# Altium PCB STM8S+OLED+RTC.PcbDoc
Units mil, origin at the board's own origin, x right, y up, seen from the top; angles counter-clockwise.
Board outline 3904.03 x 2334.03 mil, 2 copper layers (Top Layer, Bottom Layer); 35 components, 31 nets, 143 pads, 8 vias.
Unrouted connection lines stored in the file: 1.
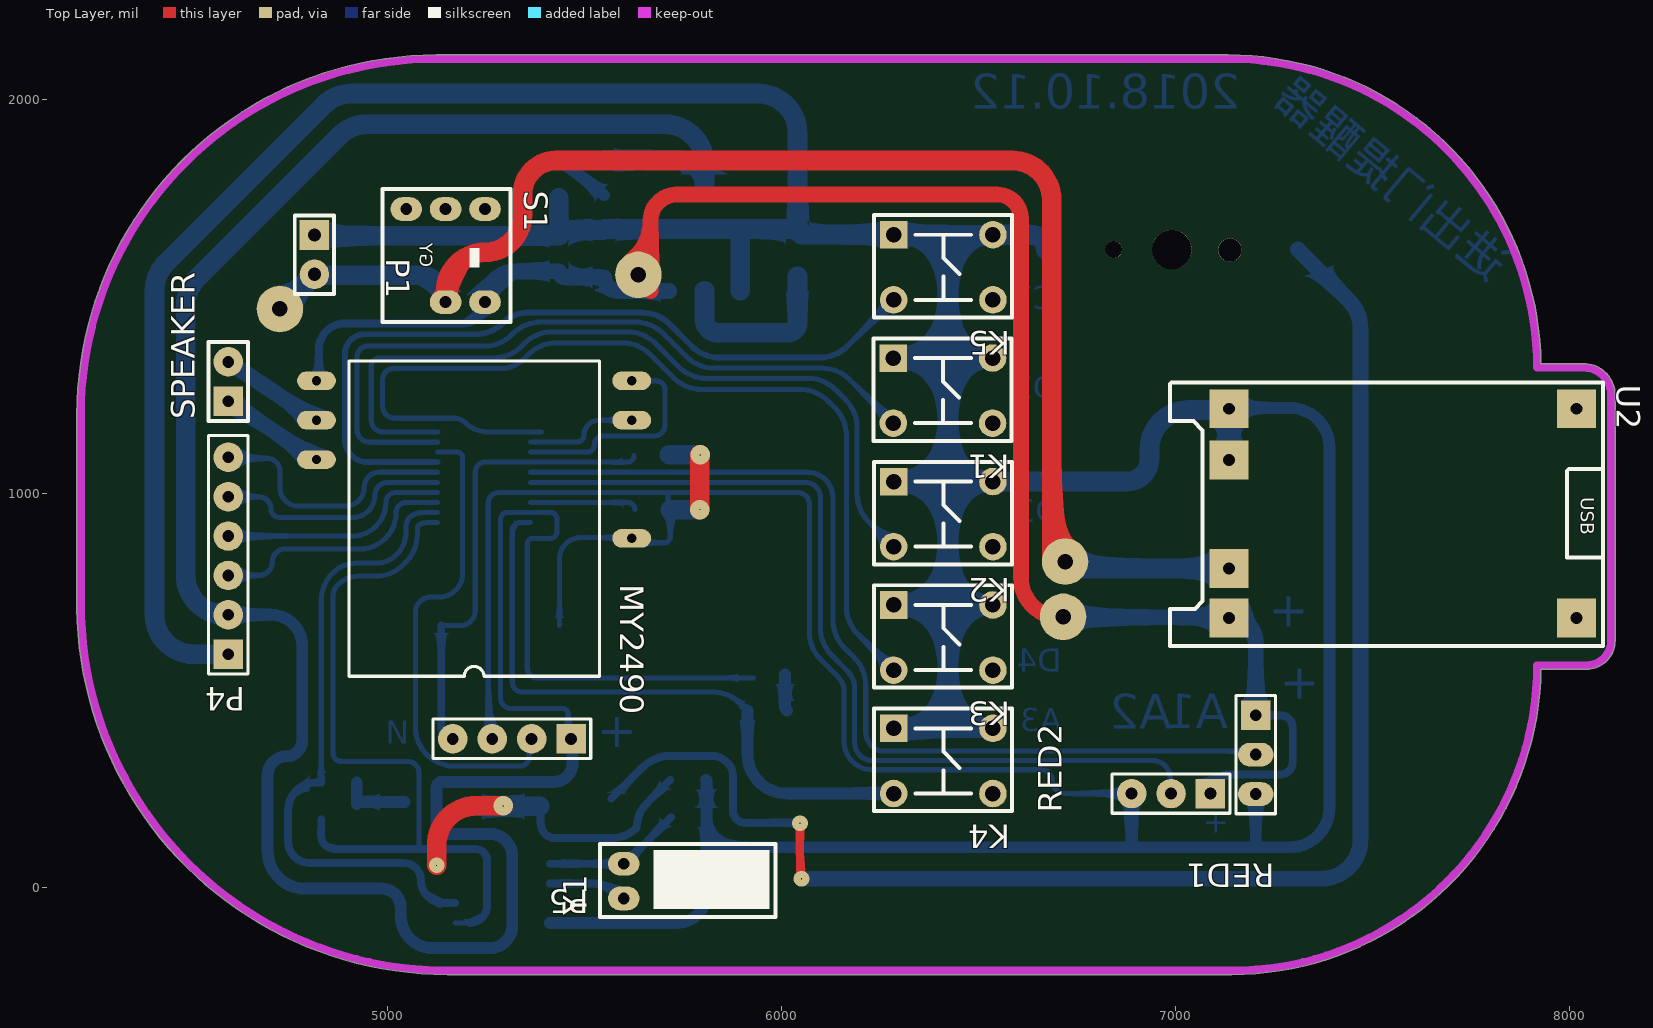
[diagram p0: Top Layer view]
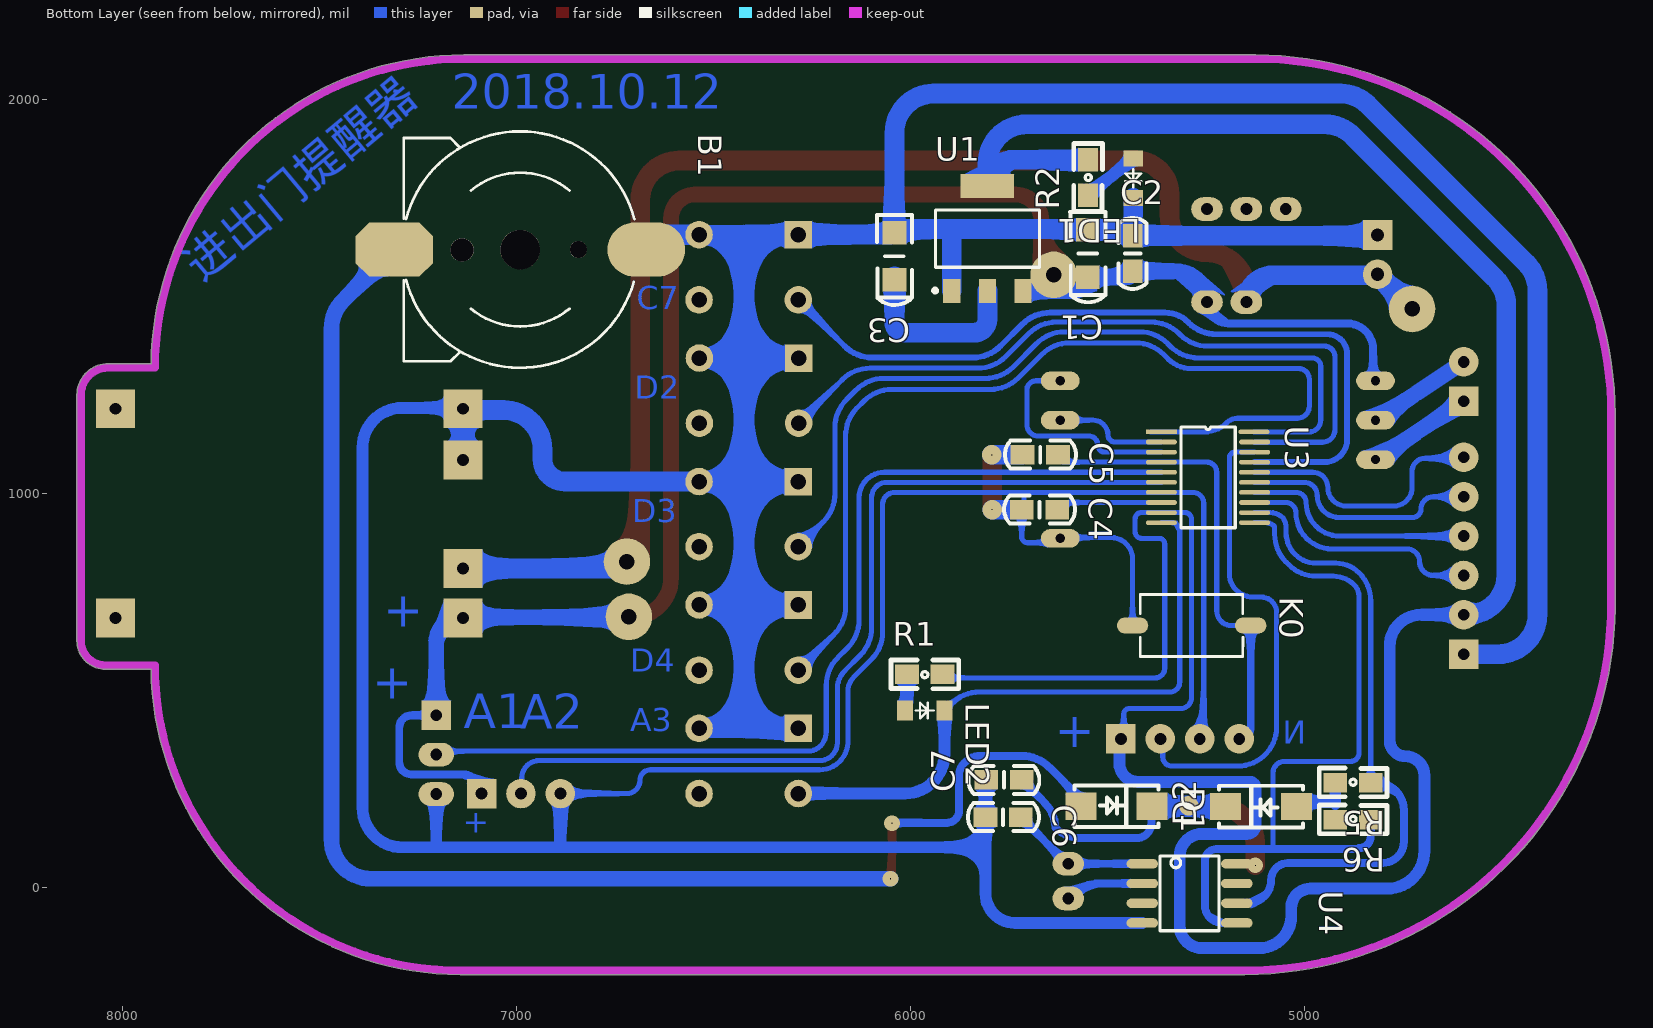
[diagram p1: Bottom Layer view, seen from below]
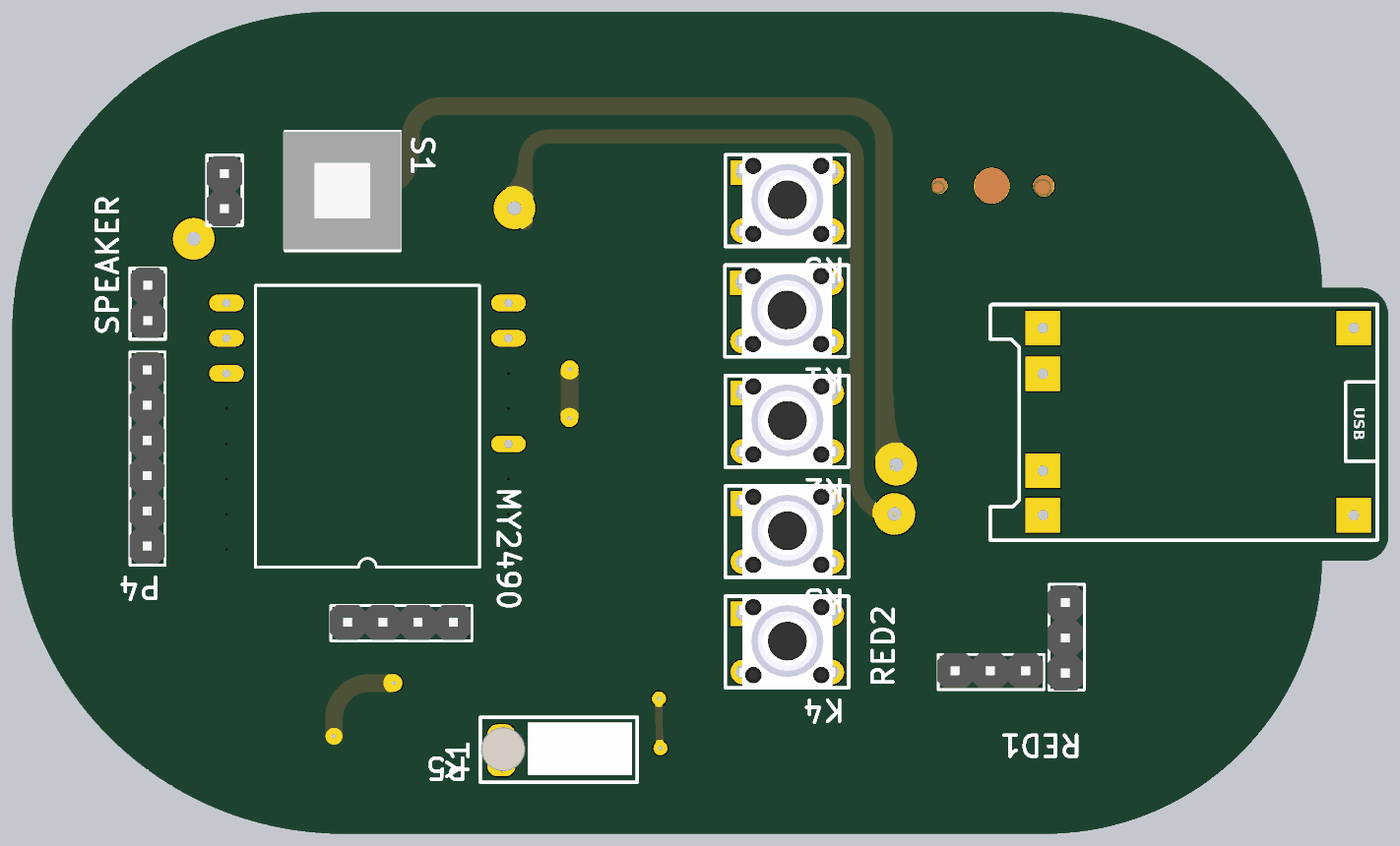
[diagram p2: 3D render of the assembled board from above, using the file's embedded part models]
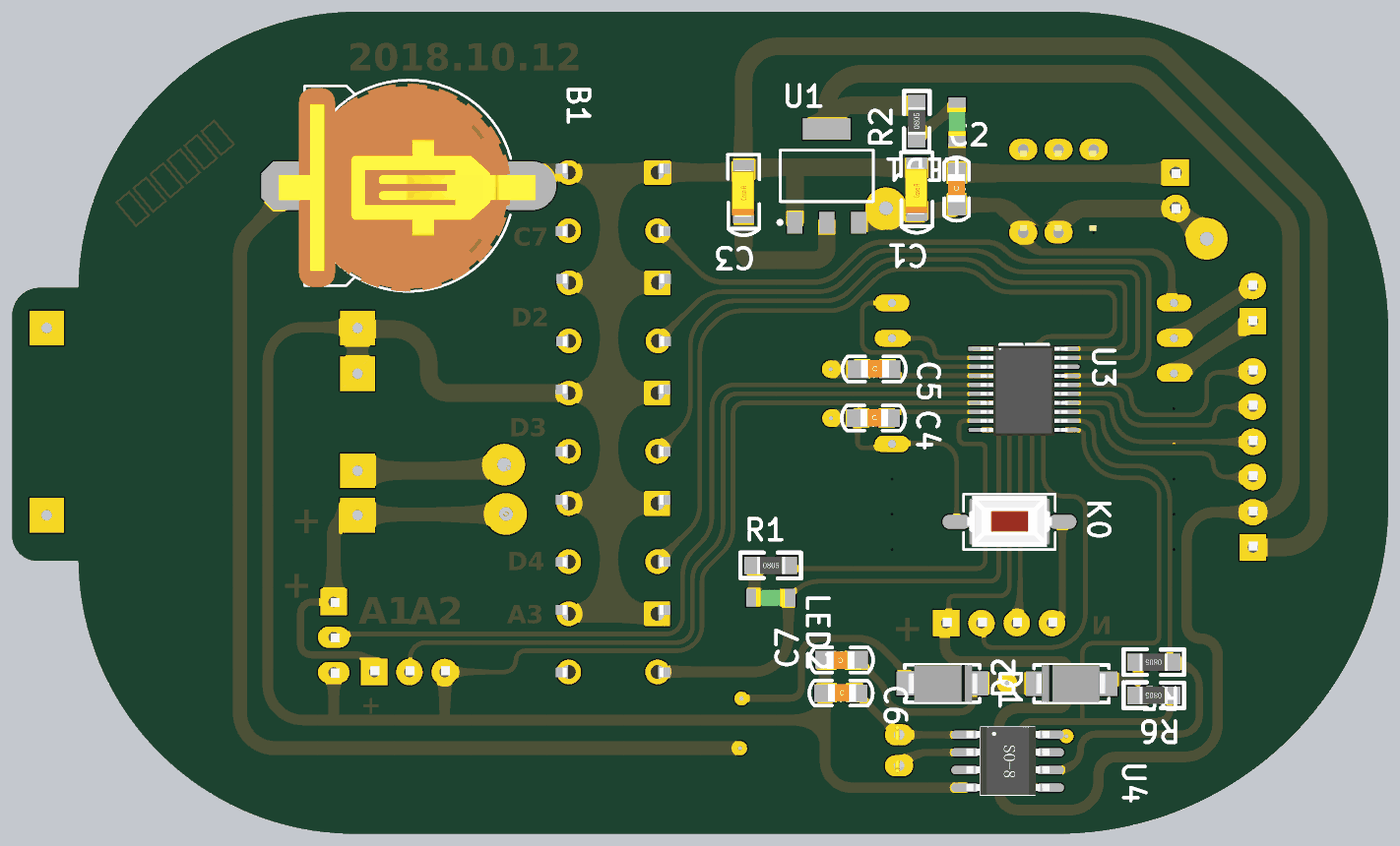
[diagram p3: 3D render of the assembled board from below, using the file's embedded part models]

## Layer stack, top to bottom
Top Solder: solder mask 0.4, Solder Resist, Dk 3.5
Top Layer: signal copper 1.4
Dielectric 1: dielectric 12.6, FR-4, Dk 4.8
Bottom Layer: signal copper 1.4
Bottom Solder: solder mask 0.4, Solder Resist, Dk 3.5

## Board outline
4212.04,708.45 cw(c4222,709.48) 4211.98,709.48 4211.98,1200.08 cw(c5123.92,1200.08) 5123.92,2112.01 7134.31,2112.01 cw(c7134.31,2102) 7134.44,2112.01 cw(c7134.31,1318.31) 7927.95,1328.32 8036.69,1328.32 cw(c8036.69,1249) 8116.02,1249 cw(c8106,1249) 8116.01,1248.96 8116.01,625 cw(c8044,625) 8044,552.98 7927.95,552.98 cw(c7143,563) 7143,-222.01 5152.42,-222.01 cw(c5152.42,718.42)

## Design rules (kind name [scope] priority, off if disabled: settings)
Clearance [All] p1: gap=10
PolygonConnect [All] p1: connectstyle=Relief reliefconductorwidth=10 reliefentries=4 polygonreliefangle="90 Angle" airgapwidth=10
RoutingVias [All] p1: holewidth=28 width=50 viastyle="Through Hole" minholewidth=28 minwidth=50 maxholewidth=28 maxwidth=50
SolderMaskExpansion [All] p1: expansion=4
Width [All] p1: maxlimit=50 minlimit=10 preferedwidth=13
30 further rules are at their usual default settings.

## Components (designator, comment, footprint, x,y, rotation, side; value= is the part's Value field where it differs from the comment)
B1 "纽扣电池（1220）" CR1220 6991,1608 r180 bottom locked
C1 "10uF" Cap(10uF) 5550,1548 r270 bottom
C2 "104" 0805C 5436,1568 r90 bottom
C3 "10uF" Cap(10uF) 6041,1541 r270 bottom
C4 "105" 0805C 5713,958 r180 bottom
C5 "104" 0805C 5711,1097 r180 bottom
C6 "22pF/16V" 0805C 5805,177 r180 bottom
C7 "0.1uF/16V" 0805C 5723,272 r0 bottom
D1 "SS14" SS14 5561,204 r180 bottom
D2 "SS14" SS14 5027,205 r0 bottom
K0 "两脚贴片" 贴片按键 5431,661 r180 bottom
K1 "四脚按键" SW_PB4_DIP 6536,1344 r180 top
K2 "四脚按键" SW_PB4_DIP 6537,1030.5 r180 top
K3 "四脚按键" SW_PB4_DIP 6537,717.25 r180 top
K4 "四脚按键" SW_PB4_DIP 6537,404 r180 top
K5 "四脚按键" SW_PB4_DIP 6537,1657 r180 top
LED1 "RED-POWER" 0805LED 5433,1847 r270 bottom
LED2 "BLUE-SIGNAL" 0805LED 6012,450 r180 bottom
MY2490 "" MY2490 5620,585 r180 top locked
P1 "POWER_IN" "Header 2"#1 4814,1553 r0 top
P4 "OLED" "Header 6" 4597,590 r180 top
P5 "下载口" "Header 4" 5467,377 r270 top
R1 "560R" 0805R 5964,540 r180 bottom
R2 "560R" 0805R 5550,1801 r90 bottom
R5 "4.7K" 0805R 4877,265 r0 bottom
R6 "4.7K" 0805R 4877,171 r0 bottom
RED1 "红外传感器1" "Header 3"#1 7209,342 r270 top
RED2 "红外传感器2" "Header 3"#2 6995,232 r180 top
S1 "六角开关" 六角开关 5247,1484 r270 top
SPEAKER "Header 2" "Header 2"#2 4597,1335 r180 top
U1 "AMS1117_3.3V" SOT-223 5892,1512 r180 bottom
U2 "锂电池充电板" 锂电池充电板 8026,1218 r270 top
U3 "STM8" STM8_SOP20 5363,1155 r180 bottom
U4 "PCF8563" PCF8563 5412,58 r180 bottom
Y1 "32.768K" XTAL 5596,32 r90 top

## Footprints (in the part's own frame and the unit in brackets; to place one, negate y for a bottom-side part, rotate by r counter-clockwise, add the part's x,y. Pads: shape width x height; smd on the part's side, far side on the other; paste and mask are expansions set on the pad)
0805C [mil]
  rect 60x50 smd: 1(-5,0) 2(85,0)
  silkscreen extent -50,-35 131,36, body extent -16,-26 102,29, height 37
0805LED [mil]
  rect 40x50 smd: 1(-2,-2) 2(98,-2)
  silkscreen extent 25,-22 71,18, body extent 7,-27 87,23, height 43
0805R [mil]
  rect 60x50 smd: 1(-45,0) 2(45,0)
  silkscreen extent -86,-37 86,36, body extent -38,-25 40,25, height 22
Cap(10uF) [mil]
  rect 60x60 smd: 1(0,0) 2(-120,0)
  silkscreen extent -165,-45 64,45, body extent -122,-33 12,30, height 65
CR1220 [mm]
  round 1.5 hole 1.5: 0(-3.75,0.229)
  round 2.54 hole 2.54: 0(0,0.254)
  round 1.1 hole 1.1: 0(3.75,0.254)
  oct 5x3.5 smd: 1(-8.128,0.254)
  oval 5x3.5 smd: 2(8.128,0.254)
  silkscreen extent -7.5,-7.37 7.36,7.87, body extent -9.38,-7.38 9.12,7.62, height 4.19
"Header 2"#1 [mil]
  rect 75x75 hole 34: 1(0.81,102.01)
  round 75 hole 34: 2(0.81,2.01)
  silkscreen extent -49,-48 51,152, body extent -50,-50 50,150, height 336
"Header 2"#2 [mil]
  rect 75x75 hole 30: 1(0.81,102.01)
  round 75 hole 30: 2(0.81,2.01)
  silkscreen extent -49,-48 51,152, body extent -50,-50 50,150, height 336
"Header 3"#1 [mil]
  rect 75x75 hole 30: 1(-94.03,-5.18)
  oval 60x90 hole 30: 2(5.97,-5.18) 3(105.97,-5.18)
  silkscreen extent -144,-55 156,45, body extent -142,-59 158,41, height 336
"Header 3"#2 [mil]
  rect 75x75 hole 30: 1(-94.03,-5.18)
  round 75 hole 30: 2(5.97,-5.18) 3(105.97,-5.18)
  silkscreen extent -144,-55 156,45, body extent -142,-59 158,41, height 336
"Header 4" [mil]
  rect 75x75 hole 30: 1(0.95,-0.93)
  round 75 hole 30: 2(0.95,-100.93) 3(0.95,-200.93) 4(0.95,-300.93)
  silkscreen extent -49,-351 51,49, body extent -51,-354 49,46, height 336
"Header 6" [mil]
  rect 75x75 hole 30: 1(0.95,-0.93)
  round 75 hole 30: 2(0.95,-100.93) 3(0.95,-200.93) 4(0.95,-300.93) 5(0.95,-400.73) 6(0.95,-500.73)
  silkscreen extent -49,-556 51,49, body extent -48,-555 52,45, height 336
MY2490 [mm]
  rect 0x0 all layers, no hole: 1(0,0)
  round 0 all layers, no hole: 2(0,-2.54) 3(0,-5.08) 5(0,-10.16) 6(0,-12.7) 12(20.32,-10.16) 13(20.32,-7.62) 14(20.32,-5.08) 15(20.32,-2.54) 16(20.32,0)
  oval 2.5x1.2 hole 0.6: 4(0,-7.62) 7(0,-15.24) 8(0,-17.78) 9(20.32,-17.78) 10(20.32,-15.24) 11(20.32,-12.7)
  silkscreen extent 2.08,-19.05 18.24,1.27
PCF8563 [mil]
  oval 80x24 smd: 1(0,1) 2(0,-49) 3(0,-99) 4(0,-149) 5(240,-149) 6(240,-99) 7(240,-49) 8(240,1)
  silkscreen extent 45,-169 195,21, body extent 3,-169 239,23, height 67
SOT-223 [mm]
  rect 1.1x1.55 smd: 1(-0.09,0.029) 2(2.21,0.029) 3(4.51,0.029)
  rect 3.45x1.55 smd: 4(2.21,6.779)
  silkscreen extent -1.29,-0.07 5.56,5.25, body extent -1.09,-0.53 5.51,6.83, height 0.8
SS14 [mm]
  rect 2x1.75 smd: 1(-0.178,0.025) 2(4.422,0.025)
  silkscreen extent -0.58,-1.32 4.82,1.38, body extent -0.38,-1.32 4.73,1.35, height 2.12
STM8_SOP20 [mm]
  rect 2x0.3 smd: 1(-0.014,0.005)
  oval 2x0.3 smd: 2(-0.014,-0.645) 3(-0.014,-1.295) 4(-0.014,-1.945) 5(-0.014,-2.595) 6(-0.014,-3.245) 7(-0.014,-3.895) 8(-0.014,-4.545) 9(-0.014,-5.195) 10(-0.014,-5.845) 11(5.994,-5.845) 12(5.994,-5.195) 13(5.994,-4.545) 14(5.994,-3.895) 15(5.994,-3.245) 16(5.994,-2.595) 17(5.994,-1.945) 18(5.994,-1.295) 19(5.994,-0.645) 20(5.955,0.005)
  silkscreen extent 1.24,-6.17 4.75,0.33, body extent -0.16,-6.27 6.12,0.23, height 1.1
SW_PB4_DIP [mil]
  rect 70x70 hole 39.37: 1(251.98,1.32)
  round 70 hole 39.37: 2(251.98,166.68) 3(0.02,166.68) 4(0.02,1.32)
  silkscreen extent -48,-49 302,211, body extent -37,-49 288,207, height 315
XTAL [mil]
  oval 60x80 hole 30: 1(-61,-4) 2(27,-4)
  silkscreen extent -108,-389 77,56, body extent -82,-72 54,54, height 365
六角开关 [mil]
  oval 60x80 hole 30: 1(-0.63,0.71) 2(-0.63,-99.29) 4(-236.85,-199.29) 5(-236.85,-99.29) 6(-236.85,0.71)
  round 0 all layers, no hole: 3(-0.63,-199.29)
  silkscreen extent -288,-260 50,65, body extent -287,-266 47,69, height 551
贴片按键 [mil]
  oval 80x40 smd: 1(-5.71,2.8) 2(294.29,2.8)
  silkscreen extent 14,-76 274,82, body extent 24,-69 264,77, height 98
锂电池充电板 [mm]
  rect 2.5x2.5 hole 0.762: 1(0.1,-0.2) 2(3.4,-22.6) 3(0.1,-22.6) 4(13.6,-22.6) 5(10.4,-22.6) 6(13.6,-0.2)
  silkscreen extent -1.6,-26.4 15.4,1.5

## Part data
C1 C3: library part Cap1
C2 C6 C7: library part CAP, "Capacitor"
C4 C5: library part C1
K0: library part Key(两脚贴片)
K1 K2 K3 K4 K5: library part Key(四脚)
LED1 LED2: library part LED
MY2490: library part Component_2
P1: library part "Header 2"
P4: library part "Header 6"
P5: library part "Header 4"
R1 R2 R5 R6: library part R1
RED1 RED2: library part "Header 3"
U1: library part AMS1117-3.3V/5.0V
Y1: library part XTAL

## Free pads (board coordinates)
  round 118.11 hole 39.37: 0(4727,1467.2) 1(6720,826) 2(6715,686) 3(5637,1554)

## Via types
v1: diameter 40, hole 0, Top Layer to Bottom Layer, 5 vias
v2: diameter 50, hole 0, Top Layer to Bottom Layer, 3 vias

## Nets (pads, with @x,y where several pads share a name; then routed paths per layer and width w, separated by ;. In a path a pad name is that pad's centre, name@x,y a point inside that pad or via, vN(x,y) a via of type N, cw(c..) or ccw(c..) an arc to the next point about the centre after c; other vN are vias at no path point)
3.3V: C3.1 P4.2 P5.1 R1.2 R2.2 U1.2 U1.4 U3.9 | length 7708.3
  Bottom Layer w13: P5.1 cw(c5466.07,383.12) 5459,383.12 5459,439 ccw(c5445,439) 5445,453 5315,453 cw(c5315,481) 5287,481 5287,934 cw(c5303.46,934) 5300.13,950.12 cw(c5303.46,934) 5303.46,950.46 U3.9 5414.54,950.46 cw(c5414.54,935) 5430,935 5430,901 cw(c5414,901) 5414,885 5369,885 ccw(c5369,871) 5355,871 5355,555 ccw(c5379,555) 5379,531 R1.2@5929,531
  Bottom Layer w30: P4.2 4705.07,690.93 cw(c4705.07,612) 4784,612 4784,372 cw(c4744,372) 4744,332 ccw(c4744,284) 4696,284 4696,91 ccw(c4791,91) 4791,-4 4985,-4 cw(c4985,-53) 5034,-53 5034,-74 ccw(c5115,-74) 5115,-155 5260,-155 ccw(c5260,-98) 5317,-98 5317,78 ccw(c5260,78) 5260,135 5146,135 cw(c5146,156) 5125,156 5125,253 cw(c5139,253) 5139,267 5423,267 ccw(c5423,314) 5470,314 5470,372.12 ccw(c5466.07,372.12) P5.1
  Bottom Layer w50: P4.2 4588,690.93 cw(c4588,790.93) 4488,790.93 4488,1475.58 cw(c4588,1475.58) 4517.29,1546.29 4877.71,1906.71 cw(c4948.42,1836) 4948.42,1936 5705,1936 cw(c5705,1836) 5805,1836 U1.4 ccw(c5737.87,1778.87) 5737.87,1846 R2.2 ; U1.2 5805,1441 ccw(c5839,1441) 5839,1407 6016,1407 ccw(c6016,1432) 6041,1432 C3.1@6041,1550
+3.3V: D2.1 R5.2 R6.2 | length 177.3
  Bottom Layer w30: R5.2 4922,211 cw(c4934.07,198.93) 4934.07,216 D2.1@5044,216
A1: RED1.2 U3.5 | length 2441.7
  Bottom Layer w13: U3.5 6066.18,1052.82 cw(c6066.18,988) 6131,988 6131,677.42 ccw(c6231,677.42) 6160.29,606.71 6184.71,582.29 cw(c6114,511.58) 6214,511.58 6214,394.42 ccw(c6265.75,394.42) 6229.16,357.83 ccw(c6260.12,388.78) 6260.12,345 RED1.2@7203,345
A2: RED2.2 U3.6 | length 2261.4
  Bottom Layer w13: U3.6 6060.77,1027.23 cw(c6060.77,989) 6099,989 6099,658.42 ccw(c6199,658.42) 6128.29,587.71 6167,549 cw(c6121.13,503.13) 6186,503.13 6186,365.86 ccw(c6230.86,365.86) 6230.86,321 6942.57,321 cw(c6942.57,276.54) 6987.03,276.54
A3: K4.2 LED2.2 U3.10 | length 1607.7
  Bottom Layer w13: U3.10 5337.87,924.87 ccw(c5337.87,904) 5317,904 5317,520 ccw(c5342,520) 5342,495 5825.58,495 cw(c5825.58,395) 5896.29,465.71 LED2.2
  Bottom Layer w30: LED2.2 5914,337.32 ccw(c6014,337.32) 6014,237.32 K4.2
B4: R5.1 U3.12 U4.6 | length 1608.8
  Bottom Layer w13: R5.1 4832,726.58 cw(c4932,726.58) 4861.29,797.29 cw(c4920.95,737.63) 4920.95,822 4970.58,822 ccw(c4970.58,897.85) 5024.22,844.22 ccw(c4969.21,899.22) 5047,899.22 5047,909.37 cw(c5101.63,909.37) 5054.37,936.78 cw(c5087.39,903.77) 5087.39,950.46 U3.12
  Bottom Layer w20: R5.1 4818,265 ccw(c4818,195) 4748,195 4748,115 ccw(c4802,115) 4802,61 5042,61 cw(c5042,18) 5085,18 ccw(c5144,18) 5144,-41 U4.6
B5: R6.1 U3.11 U4.5 | length 2239.1
  Bottom Layer w13: R6.1 ccw(c4832,168) 4829,168 4829,132 ccw(c4862,132) 4862,99 5081,99 cw(c5081,100) 5080,100 5080,290 ccw(c5051,290) 5051,319 4883,319 cw(c4883,340) 4862,340 4862,738.03 cw(c4902.97,738.03) 4874,767 cw(c4927.11,713.89) 4927.11,789 4969.58,789 ccw(c4969.58,889) 5040.29,818.29 5046.71,824.71 ccw(c4976,895.42) 5076,895.42 5076,915 cw(c5099.82,891.18) 5099.82,924.87 U3.11 ; U4.5 U4.5@5209,-91
  Bottom Layer w20: R6.1 4832,129 ccw(c4862,129) 4862,99 ccw(c4864.59,99) 4864.59,96.41 5223.31,96.41 cw(c5223.31,66.73) 5253,66.73 5253,-47 cw(c5209,-47) U4.5@5209,-91
C3: P4.3 U3.13 | length 636.6
  Bottom Layer w13: P4.3 4672.93,790.93 ccw(c4672.93,826) 4708,826 cw(c4740,826) 4740,858 4930,858 ccw(c4930,950) 5022,950 cw(c5048.05,950) 5048.05,976.05 U3.13
C4: P4.4 U3.14 | length 594.1
  Bottom Layer w13: P4.4 4910.93,890.93 ccw(c4910.93,976) 4996,976 cw(c5021.64,976) 5021.64,1001.64 U3.14
C5: P4.5 U3.15 | length 612
  Bottom Layer w13: P4.5 4673.22,990.73 cw(c4673.22,959.33) 4700.07,975.62 cw(c4673.22,959.33) 4704.62,959.33 ccw(c4725.95,959.33) 4725.95,938 4912,938 ccw(c4912,994) 4968,994 cw(c5001.23,994) 5001.23,1027.23 U3.15
C6: P4.6 U3.16 | length 668.6
  Bottom Layer w13: P4.6 ccw(c4598.78,1090.73) 4598.78,1088 4695.04,1088 cw(c4695.04,1056.04) 4727,1056.04 4727,1014 ccw(c4774,1014) 4774,967 4894,967 ccw(c4894,1014) 4941,1014 cw(c4979.82,1014) 4979.82,1052.82 U3.16
C7: K5.2 U3.17 | length 2016.3
  Bottom Layer w15: U3.17 4949.59,1078.41 cw(c4949.59,1136) 4892,1136 4892,1353 cw(c4942,1353) 4942,1403 5223.58,1403 ccw(c5223.58,1503) 5294.29,1432.29 5296,1434 cw(c5353.94,1376.06) 5353.94,1458 5645.58,1458 cw(c5645.58,1358) 5716.29,1428.71 5771.71,1373.29 ccw(c5842.42,1444) 5842.42,1344 6097.27,1344 ccw(c6097.27,1444) 6167.98,1373.29 K5.2
"D1 SWIM": P5.2 U3.18 | length 1241.3
  Bottom Layer w13: U3.18 5176,1104 cw(c5176,1089) 5191,1089 5191,796 cw(c5131,796) 5131,736 5110,736 ccw(c5110,697) 5071,697 5071,405.91 ccw(c5169.91,405.91) 5169.91,307 5337,307 ccw(c5337,330) 5360,330 5360,369.98 cw(c5366.07,369.98) P5.2
D2: K1.2 U3.19 | length 1894.4
  Bottom Layer w13: U3.19 5127,1129 4955,1129 cw(c4955,1161) 4923,1161 4923,1346 cw(c4950,1346) 4950,1373 5245.58,1373 ccw(c5245.58,1473) 5316.29,1402.29 5318.71,1404.71 cw(c5389.42,1334) 5389.42,1434 5629.58,1434 cw(c5629.58,1334) 5700.29,1404.71 5758.71,1346.29 ccw(c5829.42,1417) 5829.42,1317 6102.92,1317 cw(c6102.92,1217) 6173.63,1287.71 K1.2
D3: K2.2 U3.20 | length 2031.7
  Bottom Layer w13: U3.20 4988.82,1155.18 cw(c4988.82,1185) 4959,1185 4959,1322 cw(c4980,1322) 4980,1343 5269.58,1343 ccw(c5269.58,1443) 5340.29,1372.29 5347.71,1379.71 cw(c5418.42,1309) 5418.42,1409 5609.58,1409 cw(c5609.58,1309) 5680.29,1379.71 5739.71,1320.29 ccw(c5810.42,1391) 5810.42,1291 6067.58,1291 cw(c6067.58,1191) 6138.29,1261.71 6162.71,1237.29 cw(c6092,1166.58) 6192,1166.58 6192,998.26 ccw(c6292,998.26) 6221.29,927.55 K2.2
D4: K3.2 U3.1 | length 2454.6
  Bottom Layer w13: U3.1@5390.76,1155.18 U3.1 5254.5,1155.18 cw(c5254.5,1236.5) 5197,1179 ccw(c5170.44,1152.44) 5170.44,1190 5018,1190 cw(c5018,1220) 4988,1220 4988,1289 cw(c5015,1289) 5015,1316 5287,1316 ccw(c5287,1400.5) 5346.75,1340.75 5357.71,1351.71 cw(c5428.42,1281) 5428.42,1381 5596.58,1381 cw(c5596.58,1281) 5667.29,1351.71 5726.71,1292.29 ccw(c5797.42,1363) 5797.42,1263 6047.58,1263 cw(c6047.58,1163) 6118.29,1233.71 6135.71,1216.29 cw(c6065,1145.58) 6165,1145.58 6165,712.01 ccw(c6265,712.01) 6194.29,641.3 K3.2
D5: MY2490.7 U3.2 | length 288.1
  Bottom Layer w13: U3.2 5481.59,1129.59 ccw(c5481.59,1147) 5499,1147 cw(c5537,1147) 5537,1185 MY2490.7
D6: MY2490.8 U3.3 | length 567.2
  Bottom Layer w13: U3.3 5507,1104 ccw(c5507,1122) 5525,1122 cw(c5547.88,1122) 5547.88,1144.88 5676,1144.88 ccw(c5676,1173.88) 5705,1173.88 5705,1261 ccw(c5681,1261) 5681,1285 MY2490.8
GND: B1.2 C1.2 C2.2 C3.2 C4.1 C5.1 C6.1 C7.2 K0.1 K1.1 K1.4 K2.1 K2.4 K3.1 K3.4 K4.1 K4.4 K5.1 K5.4 LED1.2 MY2490.4 P1.1 P4.1 P5.3 RED1.3 RED2.3 U1.1 U2.2 U2.3 U3.7 U4.4 | length 16114.6
  Top Layer w50: v2(5793,958) 5793,1096 cw(c5794,1096) v2(5794,1097)
  Bottom Layer w13: P5.3@5266.07,387 cw(c5266.07,397.07) 5256,397.07 5256,974 cw(c5283.64,974) 5283.64,1001.64 U3.7 5703.36,1001.64 ; K0.1 5436.71,832.71 cw(c5491,832.71) 5491,887 5618,887 cw(c5618,885) MY2490.4 ; MY2490.4@5627,876 ccw(c5629,876) 5629,874 5703,874 ccw(c5703,889) 5718,889 C4.1 cw(c5718,964) 5712,964 5712,993 ccw(c5703.36,993) 5703.36,1001.64 ; RED2.3 6720.82,237.18 cw(c6720.82,271) 6687,271 ccw(c6660.45,271) 6660.45,297.55 6231,297.55 cw(c6231,369.55) 6159.14,365.06 cw(c6231,369.55) 6159,369.55 6159,496 ccw(c6105.89,496) 6143.45,533.55 6100.29,576.71 cw(c6171,647.42) 6071,647.42 6071,971 ccw(c6040.36,971) 6040.36,1001.64 5703.36,1001.64
  Bottom Layer w30: U4.4 5735,-91 ccw(c5735,-16) 5810,-16 5810,101 ; C7.2 cw(c5808,270) 5810,270 C6.1 5810,101 ; RED2.3 6889.03,107.97 ccw(c6896,107.97) 6896,101 ; U2.3@7136.24,1210.83 cw(c7141.47,1210.83) 7141.47,1216.06 7291,1216.06 cw(c7291,1116.06) 7391,1116.06 7391,201 cw(c7291,201) 7291,101 7207,101 ; RED1.3 7203.82,104.18 ccw(c7207,104.18) 7207,101 ; 5810,101 6896,101 ; 6896,101 7207,101
  Bottom Layer w50: P4.1 4509,590.93 cw(c4509,690.93) 4409,690.93 4409,1513.58 cw(c4509,1513.58) 4438.29,1584.29 4838.71,1984.71 cw(c4909.42,1914) 4909.42,2014 5941,2014 cw(c5941,1914) 6041,1914 C3.2@6041,1670 ; P1.1@4830,1653 C2.2 ; LED1.2 C2.2 ; C1.2 5451,1668 ccw(c5451,1653) C2.2 ; C1.2 cw(c5552,1668) 5552,1670 5906,1670 ; C5.1 v2(5794,1097) ; C4.1 v2(5793,958) ; U1.1 5895.55,1659.55 cw(c5906,1659.55) 5906,1670 ; K1.1 6423,1342.68 ; K4.1 6423,402.68 ; K3.1 6423,715.93 ; K2.1 6423,1029.18 ; K1.4 6423,1342.68 ; K4.4 6423,402.68 ; K3.4 6423,715.93 ; B1.2 ccw(c6633.32,1618) 6633.32,1655.68 K5.4 6423,1655.68 ; U2.2 7136.24,1210.83 7034.24,1210.83 ccw(c7034.24,1110.83) 6934.24,1110.83 6934.24,1086.14 cw(c6877.27,1086.14) 6877.27,1029.18 K2.4 6423,1029.18 ; 5906,1670 C3.2@6041,1670 ; C3.2@6041,1670 ccw(c6055.32,1670) 6055.32,1655.68 K5.1 6423,1655.68 ; 6423,402.68 6423,715.93 ; 6423,715.93 6423,1029.18 ; 6423,1029.18 6423,1342.68 ; 6423,1342.68 6423,1655.68
NetB1_1: B1.1 D1.1 | length 3832.3
  Top Layer w20: v1(6047,162) 6047,25 ccw(c6051,25) v1(6051,21)
  Bottom Layer w20: D1.1@5568,224 5647.71,303.71 cw(c5718.42,233) 5718.42,333 5820.54,333 cw(c5820.54,271.54) 5864,315 cw(c5832.62,283.62) 5877,283.62 5877,194 ccw(c5908,194) 5908,163 6046,163 cw(c6046,162) v1(6047,162)
  Bottom Layer w40: v1(6051,21) 7370,21 ccw(c7370,121) 7470,121 7470,1417.58 ccw(c7370,1417.58) 7440.71,1488.29 B1.1
NetC6_2: C6.2 U4.1 Y1.2 | length 356.7
  Bottom Layer w20: U4.1 Y1.2 ccw(c5600,63.83) 5603.41,60.41 C6.2
NetC7_1: C7.1 D1.2 D2.2 U4.8 | length 933
  Top Layer w50: v1(5125,55) 5125,106 cw(c5225,106) 5225,206 v2(5294,206)
  Bottom Layer w20: D1.2 cw(c5386.9,202.9) 5389,202.9 5389,162 ccw(c5427,162) 5427,124 5567.82,124 ccw(c5567.82,216.18) 5633,151 cw(c5719.91,151) 5658.46,212.46 C7.1
  Bottom Layer w50: D2.2 cw(c5202.1,204) 5202.1,205 D1.2
NetLED1_1: LED1.1 R2.1 | length 147.9
  Bottom Layer w30: LED1.1 R2.1
NetLED2_1: LED2.1 R1.1 | length 93.3
  Bottom Layer w30: R1.1 6009,460.07 ccw(c6026.07,460.07) LED2.1
NetU4_2: U4.2 Y1.1 | length 199.4
  Bottom Layer w20: U4.2 5520.58,9 cw(c5520.58,-91) 5591.29,-20.29 Y1.1
NRST: C5.2 K0.2 P5.4 U3.4 | length 1191
  Bottom Layer w13: K0.2 5185.75,663.8 ccw(c5185.75,701.04) 5223,701.04 5223,1053 cw(c5248.41,1053) 5248.41,1078.41 U3.4 5609.41,1078.41 ccw(c5609.41,1095) C5.2@5626,1095
  Bottom Layer w20: K0.2 5136.71,405.41 ccw(c5166.07,405.41) P5.4
POWER+: P1.2 pad.0 pad.1 S1.2 U2.5 | length 3688.4
  Top Layer w50: S1.2 5147.71,1511 cw(c5247.71,1511) 5247.71,1611 ccw(c5247.71,1706.29) 5343,1706.29 5343,1759 cw(c5428,1759) 5428,1844 6586,1844 cw(c6586,1744) 6686,1744 6686,838 ccw(c6708,838) v1(6708,816)
  Bottom Layer w50: pad.0 P1.2 ; P1.2@4830,1553 5079.34,1553 cw(c5079.34,1484.63) S1.2 ; v1(6708,816) ccw(c6715.45,816) 6715.45,808.55 U2.5
SPK1: MY2490.10 SPEAKER.2 | length 268.3
  Bottom Layer w40: SPEAKER.2 4723.88,1248.56 MY2490.10
SPK2: MY2490.11 SPEAKER.1 | length 268.3
  Bottom Layer w40: SPEAKER.1 MY2490.11
VCAP: C4.2 U3.8 | length 274.8
  Bottom Layer w13: U3.8 5609.95,976.05 cw(c5609.95,958) C4.2
VCC: C1.1 C2.1 MY2490.9 pad.2 pad.3 RED1.1 RED2.1 S1.1 U1.3 U2.4 | length 4542.1
  Top Layer w40: pad.3@5668,1512 5668,1691 cw(c5735,1691) 5735,1758 6547,1758 cw(c6547,1697) 6608,1697 6608,784.57 ccw(c6708,784.57) pad.2@6708,684.57
  Bottom Layer w20: MY2490.9 ccw(c4820,1291) 4826,1291 4826,1365 cw(c4891.5,1365) 4891.5,1430.5 5193.58,1430.5 ccw(c5193.58,1484.63) S1.1 ; RED2.1 cw(c7137.88,237.18) 7137.88,286.03 7267.03,286.03 ccw(c7267.03,317) 7298,317 7298,404 ccw(c7265.97,404) 7265.97,436.03 RED1.1
  Bottom Layer w40: S1.1 cw(c5326.08,1484.63) 5326.08,1563 C2.1 ccw(c5451,1563) 5451,1548 C1.1 ccw(c5584.87,1548) 5584.87,1513.13 U1.3 ; v1(6715,686) 6934.24,684.57 7141,684.57 cw(c7141,621.75) 7203.82,621.75 RED1.1 ; RED2.1 cw(c7090.82,237.18) RED2.1@7090.82,238.97
pads on no net: B1.0 K1.3 K2.3 K3.3 K4.3 K5.3 MY2490.1 MY2490.2 MY2490.3 MY2490.5 MY2490.6 MY2490.12 MY2490.13 MY2490.14 MY2490.15 MY2490.16 S1.3 S1.4 S1.5 S1.6 U2.1 U2.6 U4.3 U4.7

## Keep-outs
Keep-Out Layer:
  lines w20: 4222,709.48 4222,1200.08 cw(c5123.92,1200.08) 5123.92,2102 7134.31,2102 cw(c7134.31,1318.31) 7918,1318.31 8036.69,1318.31 cw(c8036.69,1249) 8106,1249 8106,625 cw(c8044,625) 8044,563 7918,563 cw(c7143,563) 7143,-212 5152.42,-212 cw(c5152.42,718.42) 4222,718.42

## Other copper
Bottom Layer:
  text "2018.10.12" at 7165,1946 h150
  text "进出门提醒器" at 7781,1511 h150 r320.13
  text "C7" at 6695,1448 h100
  text "D2" at 6700,1220 h100
  text "D3" at 6706,907 h100
  text "+" at 7237,632 h150
  text "D4" at 6712,527 h100
  text "+" at 7265,449 h150
  text "A3" at 6712,376 h100
  text "A1" at 7134,374 h150
  text "A2" at 6991,373 h150
  text "N" at 4996,345 h100
  text "+" at 5532,326 h150
  text "+" at 7069,119 h100

## Text inside footprints (layer, text, board x,y; h text height)
S1: Top Overlay "GY" at 5070.54,1573.21 h55 r270
U2: Top Overlay "USB" at 8018.13,989.65 h59.06 r270